# Allegro board Learn.brd (continued)
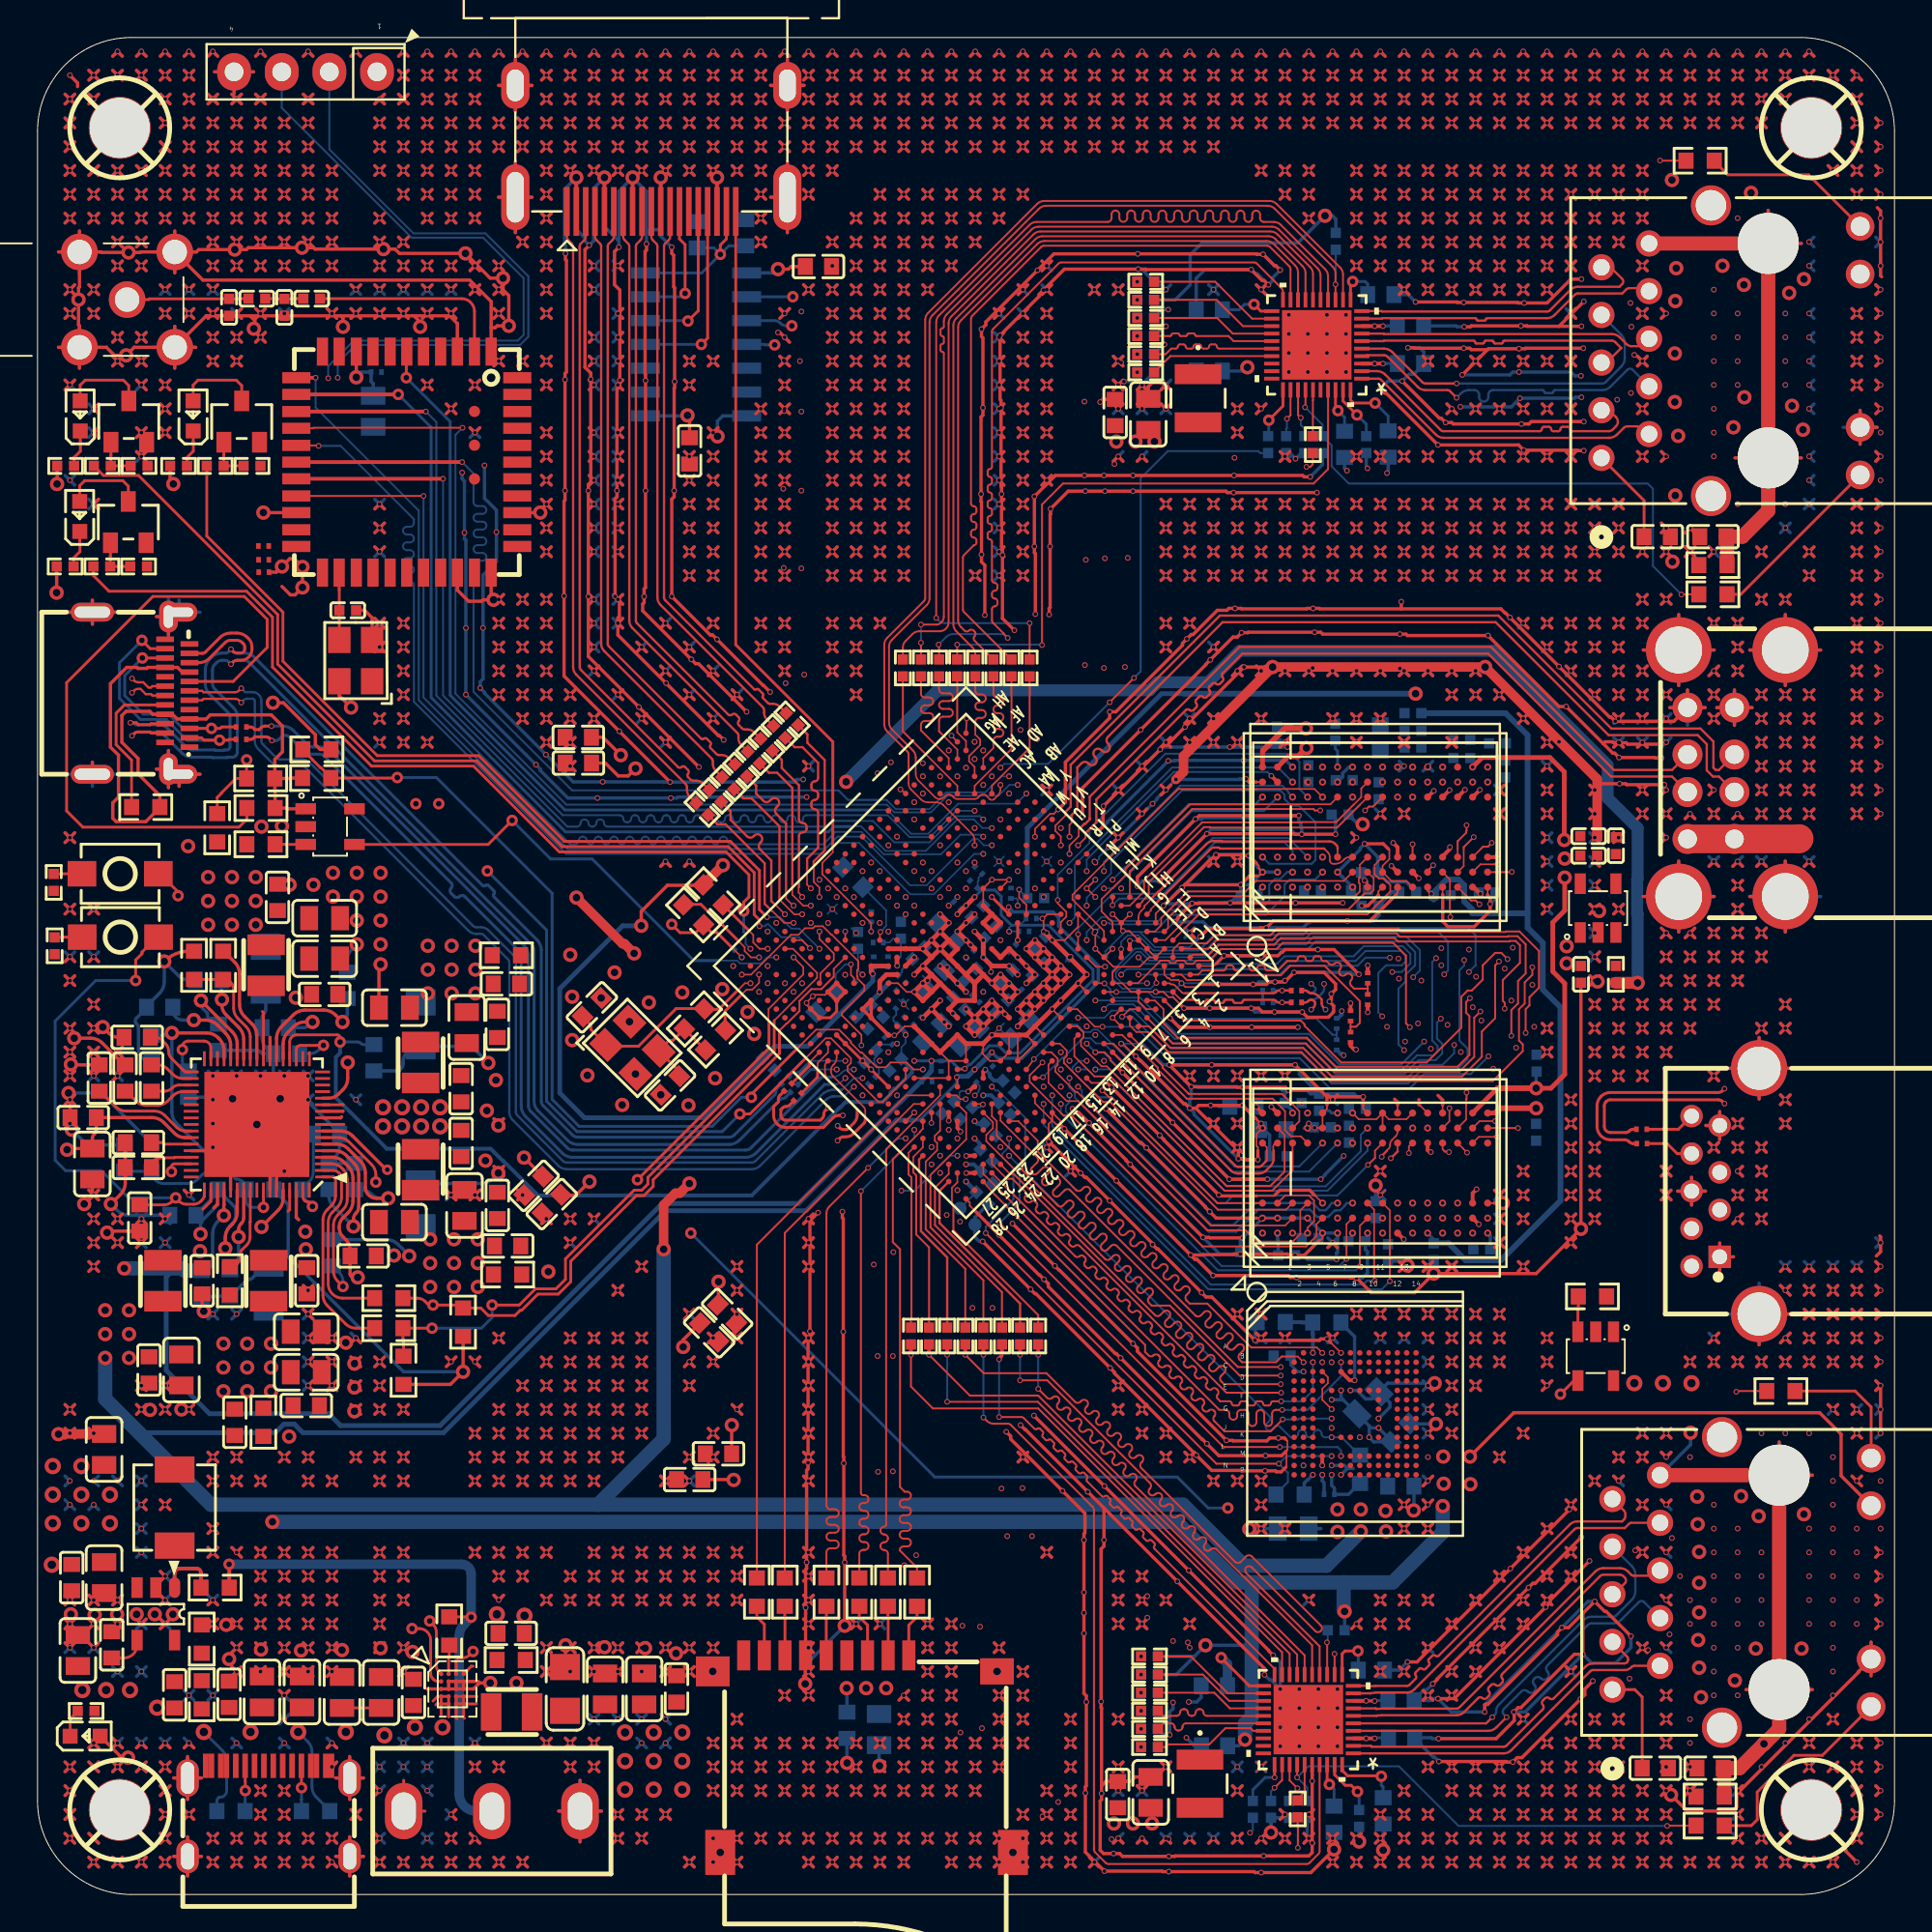
[diagram p0: board, top side]
## Routing (per net, layer and track width the routed paths; a pad name or vN(x,y) marks a point on that pad's centre or on a via; arc(x,y) is an arc through that point) (continued)
v1(52.52,94.43) ; v1(52.52,94.43) 52.78,94.18 ; v1(52.52,94.43) 52.27,94.18 ; v1(52.52,94.43) 52.78,94.69 ; v1(57.6,98.24) 57.86,97.99 ; v1(57.6,98.24) 57.86,98.5 ; v1(57.6,98.24) 57.35,97.99 ; v1(57.6,98.24) 57.35,98.5 ; 97.99,74.37 v1(98.24,74.11) ; v1(98.24,74.11) 98.5,73.86 ; v1(98.24,74.11) 97.99,73.86 ; v1(98.24,74.11) 98.5,74.37 ; 47.19,85.8 v1(47.44,85.54) ; v1(47.44,85.54) 47.7,85.8 ; v1(47.44,85.54) 47.7,85.29 ; v1(47.44,85.54) 47.19,85.29 ; 78.94,15.95 v1(79.19,15.69) ; v1(79.19,15.69) 79.45,15.44 ; v1(79.19,15.69) 78.94,15.44 ; v1(79.19,15.69) 79.45,15.95 ; v1(16.96,23.31) 17.22,23.06 ; v1(16.96,23.31) 16.71,23.06 ; v1(16.96,23.31) 17.22,23.57 ; v1(16.96,23.31) 16.71,23.57 ; v1(41.09,90.62) 41.35,90.37 ; v1(41.09,90.62) 40.84,90.37 ; v1(41.09,90.62) 41.35,90.88 ; v1(41.09,90.62) 40.84,90.88 ; 53.54,75.13 v1(53.79,75.38) ; v1(53.79,75.38) 53.54,75.64 ; v1(53.79,75.38) 54.05,75.64 ; v1(53.79,75.38) 54.05,75.13 ; 2.74,90.37 v1(2.99,90.62) ; v1(2.99,90.62) 3.25,90.37 ; v1(2.99,90.62) 3.25,90.88 ; v1(2.99,90.62) 2.74,90.88 ; v1(81.73,4.26) 81.99,4.52 ; v1(81.73,4.26) 81.48,4.52 ; v1(81.73,4.26) 81.99,4.01 ; v1(81.73,4.26) 81.48,4.01 ; v1(46.17,71.57) 46.43,71.32 ; v1(46.17,71.57) 46.43,71.83 ; v1(46.17,71.57) 45.92,71.32 ; v1(46.17,71.57) 45.92,71.83 ; 30.68,29.41 v1(30.93,29.66) ; v1(30.93,29.66) 30.68,29.92 ; v1(30.93,29.66) 31.19,29.92 ; v1(30.93,29.66) 31.19,29.41 ; v1(27.12,90.62) 27.38,90.37 ; v1(27.12,90.62) 26.87,90.37 ; v1(27.12,90.62) 27.38,90.88 ; v1(27.12,90.62) 26.87,90.88 ; v1(75.38,28.39) 75.64,28.14 ; v1(75.38,28.39) 75.64,28.65 ; v1(75.38,28.39) 75.13,28.65 ; v1(75.38,28.39) 75.13,28.14 ; 95.45,26.11 v1(95.7,25.85) ; v1(95.7,25.85) 95.96,26.11 ; v1(95.7,25.85) 95.45,25.6 ; v1(95.7,25.85) 95.96,25.6 ; v1(88.08,98.24) 88.34,98.5 ; v1(88.08,98.24) 88.34,97.99 ; v1(88.08,98.24) 87.83,97.99 ; v1(88.08,98.24) 87.83,98.5 ; 70.05,71.32 v1(70.3,71.57) ; v1(70.3,71.57) 70.56,71.32 ; v1(70.3,71.57) 70.05,71.83 ; v1(70.3,71.57) 70.56,71.83 ; 29.41,7.82 v1(29.66,8.07) ; v1(29.66,8.07) 29.92,7.82 ; v1(29.66,8.07) 29.92,8.33 ; v1(29.66,8.07) 29.41,8.33 ; 35.76,96.72 v1(36.01,96.97) ; v1(36.01,96.97) 36.27,96.72 ; v1(36.01,96.97) 35.76,97.23 ; v1(36.01,96.97) 36.27,97.23 ; v1(29.66,72.84) 29.92,72.59 ; v1(29.66,72.84) 29.41,72.59 ; v1(29.66,72.84) 29.92,73.1 ; v1(29.66,72.84) 29.41,73.1 ; v1(60.14,71.57) 60.4,71.83 ; v1(60.14,71.57) 59.89,71.83 ; v1(60.14,71.57) 60.4,71.32 ; v1(60.14,71.57) 59.89,71.32 ; 89.1,47.7 v1(89.35,47.44) ; v1(89.35,47.44) 89.61,47.19 ; v1(89.35,47.44) 89.61,47.7 ; v1(89.35,47.44) 89.1,47.19 ; 30.68,93.42 v1(30.93,93.16) ; v1(30.93,93.16) 31.19,93.42 ; v1(30.93,93.16) 31.19,92.91 ; v1(30.93,93.16) 30.68,92.91 ; v1(44.9,96.97) 45.16,97.23 ; v1(44.9,96.97) 45.16,96.72 ; v1(44.9,96.97) 44.65,96.72 ; v1(44.9,96.97) 44.65,97.23 ; v1(83,58.87) 83.26,58.62 ; v1(83,58.87) 82.75,59.13 ; v1(83,58.87) 82.75,58.62 ; v1(83,58.87) 83.26,59.13 ; 15.44,89.1 v1(15.69,89.35) ; v1(15.69,89.35) 15.44,89.61 ; v1(15.69,89.35) 15.95,89.61 ; v1(15.69,89.35) 15.95,89.1 ; v1(86.81,4.26) 87.07,4.52 ; v1(86.81,4.26) 87.07,4.01 ; v1(86.81,4.26) 86.56,4.01 ; v1(86.81,4.26) 86.56,4.52 ; v1(14.42,88.08) 14.68,87.83 ; v1(14.42,88.08) 14.68,88.34 ; v1(14.42,88.08) 14.17,88.34 ; v1(14.42,88.08) 14.17,87.83 ; 70.05,56.08 v1(70.3,56.33) 70.05,56.59 ; 62.43,72.59 v1(62.68,72.84) ; v1(62.68,72.84) 62.94,73.1 ; v1(62.68,72.84) 62.43,73.1 ; v1(62.68,72.84) 62.94,72.59 ; v1(88.08,95.7) 88.34,95.96 ; v1(88.08,95.7) 87.83,95.96 ; v1(88.08,95.7) 88.34,95.45 ; v1(88.08,95.7) 87.83,95.45 ; v1(96.97,4.26) 97.23,4.52 ; v1(96.97,4.26) 96.72,4.01 ; v1(96.97,4.26) 96.72,4.52 ; v1(96.97,4.26) 97.23,4.01 ; 80.21,4.01 v1(80.46,4.26) ; v1(80.46,4.26) 80.72,4.01 ; v1(80.46,4.26) 80.21,4.52 ; v1(80.46,4.26) 80.72,4.52 ; 14.17,98.5 v1(14.42,98.24) ; v1(14.42,98.24) 14.17,97.99 ; v1(14.42,98.24) 14.68,97.99 ; v1(14.42,98.24) 14.68,98.5 ; v1(83,96.97) 83.26,96.72 ; v1(83,96.97) 82.75,96.72 ; v1(83,96.97) 82.75,97.23 ; v1(83,96.97) 83.26,97.23 ; v1(88.08,1.72) 88.34,1.47 ; v1(88.08,1.72) 87.83,1.47 ; v1(88.08,1.72) 88.34,1.98 ; v1(88.08,1.72) 87.83,1.98 ; v1(1.72,90.62) 1.98,90.37 ; v1(1.72,90.62) 1.47,90.37 ; v1(1.72,90.62) 1.47,90.88 ; v1(1.72,90.62) 1.98,90.88 ; v1(25.85,62.68) 26.11,62.43 ; v1(25.85,62.68) 26.11,62.94 ; v1(25.85,62.68) 25.6,62.94 ; v1(25.85,62.68) 25.6,62.43 ; 82.75,94.18 v1(83,94.43) ; v1(83,94.43) 82.75,94.69 ; v1(83,94.43) 83.26,94.18 ; v1(83,94.43) 83.26,94.69 ; v1(30.93,94.43) 31.19,94.18 ; v1(30.93,94.43) 31.19,94.69 ; v1(30.93,94.43) 30.68,94.69 ; v1(30.93,94.43) 30.68,94.18 ; v1(61.41,70.3) 61.67,70.05 ; v1(61.41,70.3) 61.16,70.56 ; v1(61.41,70.3) 61.67,70.56 ; v1(61.41,70.3) 61.16,70.05 ; 11.63,21.79 v1(11.88,22.04) ; v1(11.88,22.04) 12.14,22.3 ; v1(11.88,22.04) 12.14,21.79 ; v1(11.88,22.04) 11.63,22.3 ; v1(47.44,11.88) 47.7,12.14 ; v1(47.44,11.88) 47.19,12.14 ; v1(47.44,11.88) 47.7,11.63 ; v1(47.44,11.88) 47.19,11.63 ; v1(15.69,18.23) 15.95,17.98 ; v1(15.69,18.23) 15.95,18.49 ; v1(15.69,18.23) 15.44,18.49 ; v1(15.69,18.23) 15.44,17.98 ; 43.38,70.05 v1(43.63,70.3) ; v1(43.63,70.3) 43.89,70.05 ; v1(43.63,70.3) 43.38,70.56 ; v1(43.63,70.3) 43.89,70.56 ; v1(77.92,81.73) 78.18,81.99 ; v1(77.92,81.73) 77.67,81.48 ; v1(77.92,81.73) 77.67,81.99 ; v1(77.92,81.73) 78.18,81.48 ; 14.17,11.63 v1(14.42,11.88) ; v1(14.42,11.88) 14.68,12.14 ; v1(14.42,11.88) 14.68,11.63 ; v1(14.42,11.88) 14.17,12.14 ; 80.21,16.71 v1(80.46,16.96) ; v1(80.46,16.96) 80.72,16.71 ; v1(80.46,16.96) 80.72,17.22 ; v1(80.46,16.96) 80.21,17.22 ; 8.66,68.35 U17.C1 7.54,68.99 ; 48.46,14.17 v1(48.71,14.42) ; v1(48.71,14.42) 48.97,14.68 ; v1(48.71,14.42) 48.97,14.17 ; v1(48.71,14.42) 48.46,14.68 ; 33.22,12.14 v1(33.47,11.88) ; v1(33.47,11.88) 33.73,12.14 ; v1(33.47,11.88) 33.22,11.63 ; v1(33.47,11.88) 33.73,11.63 ; 45.92,98.5 v1(46.17,98.24) ; v1(46.17,98.24) 46.43,97.99 ; v1(46.17,98.24) 46.43,98.5 ; v1(46.17,98.24) 45.92,97.99 ; v1(5.53,76.65) 5.79,76.91 ; v1(5.53,76.65) 5.79,76.4 ; v1(5.53,76.65) 5.28,76.91 ; v1(5.53,76.65) 5.28,76.4 ; v1(28.39,22.04) 28.65,21.79 ; v1(28.39,22.04) 28.65,22.3 ; v1(28.39,22.04) 28.14,22.3 ; v1(28.39,22.04) 28.14,21.79 ; v1(91.89,98.24) 92.15,98.5 ; v1(91.89,98.24) 92.15,97.99 ; v1(91.89,98.24) 91.64,98.5 ; v1(91.89,98.24) 91.64,97.99 ; v1(85.54,69.03) 85.8,69.29 ; v1(85.54,69.03) 85.29,69.29 ; v1(85.54,69.03) 85.8,68.78 ; v1(85.54,69.03) 85.29,68.78 ; 82.75,7.82 v1(83,8.07) ; v1(83,8.07) 82.75,8.33 ; v1(83,8.07) 83.26,7.82 ; v1(83,8.07) 83.26,8.33 ; v1(96.97,70.3) 97.23,70.56 ; v1(96.97,70.3) 97.23,70.05 ; v1(96.97,70.3) 96.72,70.56 ; v1(96.97,70.3) 96.72,70.05 ; v1(42.36,88.08) 42.62,87.83 ; v1(42.36,88.08) 42.62,88.34 ; v1(42.36,88.08) 42.11,88.34 ; v1(42.36,88.08) 42.11,87.83 ; 63.7,5.28 v1(63.95,5.53) ; v1(63.95,5.53) 64.21,5.79 ; v1(63.95,5.53) 64.21,5.28 ; v1(63.95,5.53) 63.7,5.79 ; 92.91,59.13 v1(93.16,58.87) ; v1(93.16,58.87) 92.91,58.62 ; v1(93.16,58.87) 93.42,59.13 ; v1(93.16,58.87) 93.42,58.62 ; 29.41,76.4 v1(29.66,76.65) ; v1(29.66,76.65) 29.41,76.91 ; v1(29.66,76.65) 29.92,76.4 ; v1(29.66,76.65) 29.92,76.91 ; v1(19.5,88.08) 19.76,87.83 ; v1(19.5,88.08) 19.76,88.34 ; v1(19.5,88.08) 19.25,88.34 ; v1(19.5,88.08) 19.25,87.83 ; v1(23.31,86.81) 23.57,86.56 ; v1(23.31,86.81) 23.06,87.07 ; v1(23.31,86.81) 23.57,87.07 ; v1(23.31,86.81) 23.06,86.56 ; 51,97.99 v1(51.25,98.24) ; v1(51.25,98.24) 51,98.5 ; v1(51.25,98.24) 51.51,98.5 ; v1(51.25,98.24) 51.51,97.99 ; 21.79,97.23 v1(22.04,96.97) ; v1(22.04,96.97) 21.79,96.72 ; v1(22.04,96.97) 22.3,97.23 ; v1(22.04,96.97) 22.3,96.72 ; v1(38.55,88.08) 38.81,87.83 ; v1(38.55,88.08) 38.3,87.83 ; v1(38.55,88.08) 38.81,88.34 ; v1(38.55,88.08) 38.3,88.34 ; 25.6,68.78 v1(25.85,69.03) ; v1(25.85,69.03) 26.11,69.29 ; v1(25.85,69.03) 26.11,68.78 ; v1(25.85,69.03) 25.6,69.29 ; v1(71.57,65.22) 71.83,65.48 ; v1(71.57,65.22) 71.32,65.48 ; v1(71.57,65.22) 71.83,64.97 ; v1(71.57,65.22) 71.32,64.97 ; 42.11,84.02 v1(42.36,84.27) ; v1(42.36,84.27) 42.62,84.53 ; v1(42.36,84.27) 42.62,84.02 ; v1(42.36,84.27) 42.11,84.53 ; v1(63.95,71.57) 64.21,71.32 ; v1(63.95,71.57) 63.7,71.83 ; v1(63.95,71.57) 64.21,71.83 ; v1(63.95,71.57) 63.7,71.32 ; v1(72.84,14.42) 73.1,14.17 ; v1(72.84,14.42) 72.59,14.17 ; v1(72.84,14.42) 72.59,14.68 ; v1(72.84,14.42) 73.1,14.68 ; 6.55,20.52 v1(6.8,20.77) ; v1(6.8,20.77) 7.06,21.03 ; v1(6.8,20.77) 7.06,20.52 ; v1(6.8,20.77) 6.55,21.03 ; 86.56,47.19 v1(86.81,47.44) ; v1(86.81,47.44) 86.56,47.7 ; v1(86.81,47.44) 87.07,47.7 ; v1(86.81,47.44) 87.07,47.19 ; v1(71.57,72.84) 71.83,72.59 ; v1(71.57,72.84) 71.32,73.1 ; v1(71.57,72.84) 71.32,72.59 ; v1(71.57,72.84) 71.83,73.1 ; 5.28,18.49 v1(5.53,18.23) ; v1(5.53,18.23) 5.79,17.98 ; v1(5.53,18.23) 5.79,18.49 ; v1(5.53,18.23) 5.28,17.98 ; v1(79.19,76.65) 79.45,76.91 ; v1(79.19,76.65) 78.94,76.4 ; v1(79.19,76.65) 79.45,76.4 ; v1(79.19,76.65) 78.94,76.91 ; 35.76,95.96 v1(36.01,95.7) ; v1(36.01,95.7) 36.27,95.45 ; v1(36.01,95.7) 36.27,95.96 ; v1(36.01,95.7) 35.76,95.45 ; v1(36.01,18.23) 36.27,18.49 ; v1(36.01,18.23) 36.27,17.98 ; v1(36.01,18.23) 35.76,18.49 ; v1(36.01,18.23) 35.76,17.98 ; 26.87,89.61 v1(27.12,89.35) ; v1(27.12,89.35) 27.38,89.1 ; v1(27.12,89.35) 27.38,89.61 ; v1(27.12,89.35) 26.87,89.1 ; v1(5.53,8.07) 5.79,7.82 ; v1(5.53,8.07) 5.28,7.82 ; v1(5.53,8.07) 5.79,8.33 ; v1(5.53,8.07) 5.28,8.33 ; 84.02,61.16 v1(84.27,61.41) ; v1(84.27,61.41) 84.02,61.67 ; v1(84.27,61.41) 84.53,61.67 ; v1(84.27,61.41) 84.53,61.16 ; v1(98.24,75.38) 98.5,75.64 ; v1(98.24,75.38) 98.5,75.13 ; v1(98.24,75.38) 97.99,75.13 ; v1(98.24,75.38) 97.99,75.64 ; 31.95,17.98 v1(32.2,18.23) ; v1(32.2,18.23) 32.46,18.49 ; v1(32.2,18.23) 31.95,18.49 ; v1(32.2,18.23) 32.46,17.98 ; v1(4.26,6.8) 4.52,6.55 ; v1(4.26,6.8) 4.01,6.55 ; v1(4.26,6.8) 4.01,7.06 ; v1(4.26,6.8) 4.52,7.06 ; v1(14.42,29.66) 14.68,29.41 ; v1(14.42,29.66) 14.17,29.41 ; v1(14.42,29.66) 14.68,29.92 ; v1(14.42,29.66) 14.17,29.92 ; v1(32.2,16.96) 32.46,17.22 ; v1(32.2,16.96) 31.95,17.22 ; v1(32.2,16.96) 31.95,16.71 ; v1(32.2,16.96) 32.46,16.71 ; v1(2.99,14.42) 3.25,14.68 ; v1(2.99,14.42) 2.74,14.68 ; v1(2.99,14.42) 3.25,14.17 ; v1(2.99,14.42) 2.74,14.17 ; 81.48,70.56 v1(81.73,70.3) ; v1(81.73,70.3) 81.48,70.05 ; v1(81.73,70.3) 81.99,70.05 ; v1(81.73,70.3) 81.99,70.56 ; 71.32,30.68 v1(71.57,30.93) ; v1(71.57,30.93) 71.83,30.68 ; v1(71.57,30.93) 71.83,31.19 ; v1(71.57,30.93) 71.32,31.19 ; 78.94,74.37 v1(79.19,74.11) ; v1(79.19,74.11) 79.45,74.37 ; v1(79.19,74.11) 79.45,73.86 ; v1(79.19,74.11) 78.94,73.86 ; v1(62.68,98.24) 62.94,97.99 ; v1(62.68,98.24) 62.94,98.5 ; v1(62.68,98.24) 62.43,98.5 ; v1(62.68,98.24) 62.43,97.99 ; v1(69.03,74.11) 69.29,73.86 ; v1(69.03,74.11) 68.78,74.37 ; v1(69.03,74.11) 68.78,73.86 ; v1(69.03,74.11) 69.29,74.37 ; v1(41.09,5.53) 41.35,5.28 ; v1(41.09,5.53) 41.35,5.79 ; v1(41.09,5.53) 40.84,5.28 ; v1(41.09,5.53) 40.84,5.79 ; 17.98,87.83 v1(18.23,88.08) ; v1(18.23,88.08) 18.49,87.83 ; v1(18.23,88.08) 17.98,88.34 ; v1(18.23,88.08) 18.49,88.34 ; v1(53.79,93.16) 54.05,92.91 ; v1(53.79,93.16) 53.54,92.91 ; v1(53.79,93.16) 54.05,93.42 ; v1(53.79,93.16) 53.54,93.42 ; 54.81,4.52 v1(55.06,4.26) ; v1(55.06,4.26) 55.32,4.01 ; v1(55.06,4.26) 54.81,4.01 ; v1(55.06,4.26) 55.32,4.52 ; v1(36.01,72.84) 36.27,73.1 ; v1(36.01,72.84) 36.27,72.59 ; v1(36.01,72.84) 35.76,73.1 ; v1(36.01,72.84) 35.76,72.59 ; v1(14.42,16.96) 14.68,17.22 ; v1(14.42,16.96) 14.17,16.71 ; v1(14.42,16.96) 14.17,17.22 ; v1(14.42,16.96) 14.68,16.71 ; v1(1.72,15.69) 1.98,15.44 ; v1(1.72,15.69) 1.47,15.95 ; v1(1.72,15.69) 1.47,15.44 ; v1(1.72,15.69) 1.98,15.95 ; v1(63.95,6.8) 64.21,7.06 ; v1(63.95,6.8) 64.21,6.55 ; v1(63.95,6.8) 63.7,7.06 ; v1(63.95,6.8) 63.7,6.55 ; 4.01,81.48 v1(4.26,81.73) ; v1(4.26,81.73) 4.52,81.48 ; v1(4.26,81.73) 4.01,81.99 ; v1(4.26,81.73) 4.52,81.99 ; 42.11,94.18 v1(42.36,94.43) ; v1(42.36,94.43) 42.62,94.69 ; v1(42.36,94.43) 42.11,94.69 ; v1(42.36,94.43) 42.62,94.18 ; v1(79.19,24.58) 79.45,24.33 ; v1(79.19,24.58) 78.94,24.84 ; v1(79.19,24.58) 78.94,24.33 ; v1(79.19,24.58) 79.45,24.84 ; 63.7,41.35 v1(63.95,41.09) ; v1(63.95,41.09) 64.21,40.84 ; v1(63.95,41.09) 63.7,40.84 ; v1(63.95,41.09) 64.21,41.35 ; v1(90.62,53.79) 90.88,53.54 ; v1(90.62,53.79) 90.37,54.05 ; v1(90.62,53.79) 90.37,53.54 ; v1(90.62,53.79) 90.88,54.05 ; v1(90.62,52.52) 90.88,52.78 ; v1(90.62,52.52) 90.37,52.78 ; v1(90.62,52.52) 90.88,52.27 ; v1(90.62,52.52) 90.37,52.27 ; 24.33,1.98 v1(24.58,1.72) ; v1(24.58,1.72) 24.33,1.47 ; v1(24.58,1.72) 24.84,1.47 ; v1(24.58,1.72) 24.84,1.98 ; 5.28,7.06 v1(5.53,6.8) ; v1(5.53,6.8) 5.79,7.06 ; v1(5.53,6.8) 5.79,6.55 ; v1(5.53,6.8) 5.28,6.55 ; v1(66.49,48.71) 66.75,48.46 ; v1(66.49,48.71) 66.75,48.97 ; v1(66.49,48.71) 66.24,48.97 ; v1(27.12,36.01) 27.38,36.27 ; v1(27.12,36.01) 26.87,35.76 ; v1(27.12,36.01) 27.38,35.76 ; v1(27.12,36.01) 26.87,36.27 ; v1(74.11,70.3) 74.37,70.05 ; v1(74.11,70.3) 74.37,70.56 ; v1(74.11,70.3) 73.86,70.05 ; v1(74.11,70.3) 73.86,70.56 ; 43.38,73.1 v1(43.63,72.84) ; v1(43.63,72.84) 43.38,72.59 ; v1(43.63,72.84) 43.89,72.59 ; v1(43.63,72.84) 43.89,73.1 ; 30.68,75.13 v1(30.93,75.38) ; v1(30.93,75.38) 31.19,75.13 ; v1(30.93,75.38) 30.68,75.64 ; v1(30.93,75.38) 31.19,75.64 ; v1(24.58,84.27) 24.84,84.02 ; v1(24.58,84.27) 24.33,84.53 ; v1(24.58,84.27) 24.84,84.53 ; v1(24.58,84.27) 24.33,84.02 ; 66.24,19.25 v1(66.49,19.5) ; v1(66.49,19.5) 66.75,19.76 ; v1(66.49,19.5) 66.75,19.25 ; v1(66.49,19.5) 66.24,19.76 ; v1(13.15,11.88) 13.41,11.63 ; v1(13.15,11.88) 12.9,12.14 ; v1(13.15,11.88) 12.9,11.63 ; v1(13.15,11.88) 13.41,12.14 ; 96.72,62.43 v1(96.97,62.68) ; v1(96.97,62.68) 97.23,62.43 ; v1(96.97,62.68) 96.72,62.94 ; v1(96.97,62.68) 97.23,62.94 ; v1(65.22,98.24) 65.48,97.99 ; v1(65.22,98.24) 64.97,97.99 ; v1(65.22,98.24) 65.48,98.5 ; v1(65.22,98.24) 64.97,98.5 ; 2.74,33.73 v1(2.99,33.47) ; v1(2.99,33.47) 3.25,33.22 ; v1(2.99,33.47) 3.25,33.73 ; v1(2.99,33.47) 2.74,33.22 ; 76.4,2.74 v1(76.65,2.99) ; v1(76.65,2.99) 76.91,3.25 ; v1(76.65,2.99) 76.91,2.74 ; v1(76.65,2.99) 76.4,3.25 ; v1(61.41,71.57) 61.67,71.32 ; v1(61.41,71.57) 61.16,71.32 ; v1(61.41,71.57) 61.16,71.83 ; v1(61.41,71.57) 61.67,71.83 ; 42.11,91.64 v1(42.36,91.89) ; v1(42.36,91.89) 42.62,92.15 ; v1(42.36,91.89) 42.62,91.64 ; v1(42.36,91.89) 42.11,92.15 ; 54.81,96.72 v1(55.06,96.97) ; v1(55.06,96.97) 55.32,96.72 ; v1(55.06,96.97) 54.81,97.23 ; v1(55.06,96.97) 55.32,97.23 ; 31.95,24.33 v1(32.2,24.58) ; v1(32.2,24.58) 31.95,24.84 ; v1(32.2,24.58) 32.46,24.84 ; v1(32.2,24.58) 32.46,24.33 ; 51,83.26 v1(51.25,83) ; v1(51.25,83) 51,82.75 ; v1(51.25,83) 51.51,82.75 ; v1(51.25,83) 51.51,83.26 ; v1(44.9,86.81) 45.16,87.07 ; v1(44.9,86.81) 44.65,87.07 ; v1(44.9,86.81) 44.65,86.56 ; v1(44.9,86.81) 45.16,86.56 ; 37.03,7.82 v1(37.28,8.07) ; v1(37.28,8.07) 37.54,8.33 ; v1(37.28,8.07) 37.03,8.33 ; v1(37.28,8.07) 37.54,7.82 ; 17.98,62.94 v1(18.23,62.68) ; v1(18.23,62.68) 18.49,62.43 ; v1(18.23,62.68) 18.49,62.94 ; v1(18.23,62.68) 17.98,62.43 ; v1(72.84,57.6) 73.1,57.35 ; v1(72.84,57.6) 73.1,57.86 ; v1(72.84,57.6) 72.59,57.86 ; v1(72.84,57.6) 72.59,57.35 ; v1(1.72,49.98) 1.98,49.73 ; v1(1.72,49.98) 1.47,50.24 ; v1(1.72,49.98) 1.98,50.24 ; v1(1.72,49.98) 1.47,49.73 ; v1(39.82,70.3) 40.08,70.56 ; v1(39.82,70.3) 39.57,70.56 ; v1(39.82,70.3) 40.08,70.05 ; v1(39.82,70.3) 39.57,70.05 ; v1(71.57,90.62) 71.83,90.88 ; v1(71.57,90.62) 71.32,90.88 ; v1(71.57,90.62) 71.32,90.37 ; v1(71.57,90.62) 71.83,90.37 ; v1(27.12,71.57) 27.38,71.83 ; v1(27.12,71.57) 26.87,71.32 ; v1(27.12,71.57) 26.87,71.83 ; v1(27.12,71.57) 27.38,71.32 ; v1(22.04,2.99) 22.3,2.74 ; v1(22.04,2.99) 21.79,2.74 ; v1(22.04,2.99) 21.79,3.25 ; v1(22.04,2.99) 22.3,3.25 ; v1(84.27,67.76) 84.53,67.51 ; v1(84.27,67.76) 84.02,67.51 ; v1(84.27,67.76) 84.53,68.02 ; v1(84.27,67.76) 84.02,68.02 ; 58.62,24.84 v1(58.87,24.58) ; v1(58.87,24.58) 58.62,24.33 ; v1(58.87,24.58) 59.13,24.33 ; v1(58.87,24.58) 59.13,24.84 ; U22.3 8.43,87.55 ; U22.3 7.32,86.44 ; U22.3 6.2,87.55 ; U22.3 7.32,88.67 ; 68.78,1.98 v1(69.03,1.72) ; v1(69.03,1.72) 69.29,1.47 ; v1(69.03,1.72) 68.78,1.47 ; v1(69.03,1.72) 69.29,1.98 ; v1(49.98,96.97) 50.24,97.23 ; v1(49.98,96.97) 49.73,96.72 ; v1(49.98,96.97) 50.24,96.72 ; v1(49.98,96.97) 49.73,97.23 ; 19.25,96.72 v1(19.5,96.97) ; v1(19.5,96.97) 19.76,96.72 ; v1(19.5,96.97) 19.25,97.23 ; v1(19.5,96.97) 19.76,97.23 ; 25.6,66.24 v1(25.85,66.49) ; v1(25.85,66.49) 26.11,66.75 ; v1(25.85,66.49) 25.6,66.75 ; v1(25.85,66.49) 26.11,66.24 ; v1(43.63,76.65) 43.89,76.91 ; v1(43.63,76.65) 43.38,76.4 ; v1(43.63,76.65) 43.89,76.4 ; v1(43.63,76.65) 43.38,76.91 ; 29.41,68.02 v1(29.66,67.76) ; v1(29.66,67.76) 29.41,67.51 ; v1(29.66,67.76) 29.92,67.51 ; v1(29.66,67.76) 29.92,68.02 ; v1(6.8,85.54) 7.06,85.8 ; v1(6.8,85.54) 6.55,85.8 ; v1(6.8,85.54) 6.55,85.29 ; v1(6.8,85.54) 7.06,85.29 ; 17.98,85.8 v1(18.23,85.54) ; v1(18.23,85.54) 18.49,85.29 ; v1(18.23,85.54) 18.49,85.8 ; v1(18.23,85.54) 17.98,85.29 ; v1(63.95,65.22) 64.21,65.48 ; v1(63.95,65.22) 63.7,64.97 ; v1(63.95,65.22) 64.21,64.97 ; v1(63.95,65.22) 63.7,65.48 ; 82.75,6.55 v1(83,6.8) ; v1(83,6.8) 83.26,6.55 ; v1(83,6.8) 82.75,7.06 ; v1(83,6.8) 83.26,7.06 ; v1(66.49,65.22) 66.75,64.97 ; v1(66.49,65.22) 66.75,65.48 ; v1(66.49,65.22) 66.24,64.97 ; v1(66.49,65.22) 66.24,65.48 ; 1.47,91.64 v1(1.72,91.89) ; v1(1.72,91.89) 1.98,92.15 ; v1(1.72,91.89) 1.47,92.15 ; v1(1.72,91.89) 1.98,91.64 ; v1(80.46,67.76) 80.72,67.51 ; v1(80.46,67.76) 80.21,67.51 ; v1(80.46,67.76) 80.72,68.02 ; v1(80.46,67.76) 80.21,68.02 ; v1(14.42,86.81) 14.68,87.07 ; v1(14.42,86.81) 14.17,86.56 ; v1(14.42,86.81) 14.17,87.07 ; v1(14.42,86.81) 14.68,86.56 ; 76.4,73.86 v1(76.65,74.11) ; v1(76.65,74.11) 76.91,73.86 ; v1(76.65,74.11) 76.4,74.37 ; v1(76.65,74.11) 76.91,74.37 ; v1(55.06,6.8) 55.32,7.06 ; v1(55.06,6.8) 54.81,7.06 ; v1(55.06,6.8) 54.81,6.55 ; v1(55.06,6.8) 55.32,6.55 ; v1(94.43,55.06) 94.69,55.32 ; v1(94.43,55.06) 94.69,54.81 ; v1(94.43,55.06) 94.18,54.81 ; v1(94.43,55.06) 94.18,55.32 ; 40.84,7.82 v1(41.09,8.07) ; v1(41.09,8.07) 41.35,8.33 ; v1(41.09,8.07) 40.84,8.33 ; v1(41.09,8.07) 41.35,7.82 ; 47.19,13.41 v1(47.44,13.15) ; v1(47.44,13.15) 47.19,12.9 ; v1(47.44,13.15) 47.7,12.9 ; v1(47.44,13.15) 47.7,13.41 ; 80.21,29.41 v1(80.46,29.66) ; v1(80.46,29.66) 80.72,29.92 ; v1(80.46,29.66) 80.72,29.41 ; v1(80.46,29.66) 80.21,29.92 ; v1(70.3,1.72) 70.56,1.98 ; v1(70.3,1.72) 70.56,1.47 ; v1(70.3,1.72) 70.05,1.47 ; v1(70.3,1.72) 70.05,1.98 ; 96.72,81.48 v1(96.97,81.73) ; v1(96.97,81.73) 97.23,81.99 ; v1(96.97,81.73) 96.72,81.99 ; v1(96.97,81.73) 97.23,81.48 ; 52.27,85.29 v1(52.52,85.54) ; v1(52.52,85.54) 52.27,85.8 ; v1(52.52,85.54) 52.78,85.8 ; v1(52.52,85.54) 52.78,85.29 ; v1(14.42,43.63) 14.68,43.38 ; v1(14.42,43.63) 14.17,43.89 ; v1(14.42,43.63) 14.68,43.89 ; v1(14.42,43.63) 14.17,43.38 ; v1(70.3,70.3) 70.56,70.56 ; v1(70.3,70.3) 70.05,70.56 ; v1(70.3,70.3) 70.56,70.05 ; v1(70.3,70.3) 70.05,70.05 ; v1(2.99,1.72) 3.25,1.98 ; v1(2.99,1.72) 2.74,1.47 ; v1(2.99,1.72) 2.74,1.98 ; v1(2.99,1.72) 3.25,1.47 ; 86.56,51.51 v1(86.81,51.25) ; v1(86.81,51.25) 86.56,51 ; v1(86.81,51.25) 87.07,51 ; 75.13,33.22 v1(75.38,33.47) ; v1(75.38,33.47) 75.13,33.73 ; v1(75.38,33.47) 75.64,33.22 ; v1(75.38,33.47) 75.64,33.73 ; 37.03,93.42 v1(37.28,93.16) ; v1(37.28,93.16) 37.03,92.91 ; v1(37.28,93.16) 37.54,92.91 ; v1(37.28,93.16) 37.54,93.42 ; 2.74,8.33 v1(2.99,8.07) ; v1(2.99,8.07) 2.74,7.82 ; v1(2.99,8.07) 3.25,7.82 ; v1(2.99,8.07) 3.25,8.33 ; v1(76.65,79.19) 76.91,78.94 ; v1(76.65,79.19) 76.91,79.45 ; v1(76.65,79.19) 76.4,79.45 ; v1(76.65,79.19) 76.4,78.94 ; 80.21,89.61 v1(80.46,89.35) ; v1(80.46,89.35) 80.72,89.1 ; v1(80.46,89.35) 80.72,89.61 ; v1(80.46,89.35) 80.21,89.1 ; 44.65,90.37 v1(44.9,90.62) ; v1(44.9,90.62) 45.16,90.37 ; v1(44.9,90.62) 45.16,90.88 ; v1(44.9,90.62) 44.65,90.88 ; v1(84.27,23.31) 84.53,23.06 ; v1(84.27,23.31) 84.53,23.57 ; v1(84.27,23.31) 84.02,23.57 ; v1(84.27,23.31) 84.02,23.06 ; 44.65,80.72 v1(44.9,80.46) ; v1(44.9,80.46) 45.16,80.21 ; v1(44.9,80.46) 45.16,80.72 ; v1(44.9,80.46) 44.65,80.21 ; v1(94.43,28.39) 94.69,28.65 ; v1(94.43,28.39) 94.18,28.14 ; v1(94.43,28.39) 94.18,28.65 ; v1(94.43,28.39) 94.69,28.14 ; 45.92,3.25 v1(46.17,2.99) ; v1(46.17,2.99) 46.43,2.74 ; v1(46.17,2.99) 